# Altium PCB PicoBOB_DLX.pcbdoc (part 2 of 4) (continued)
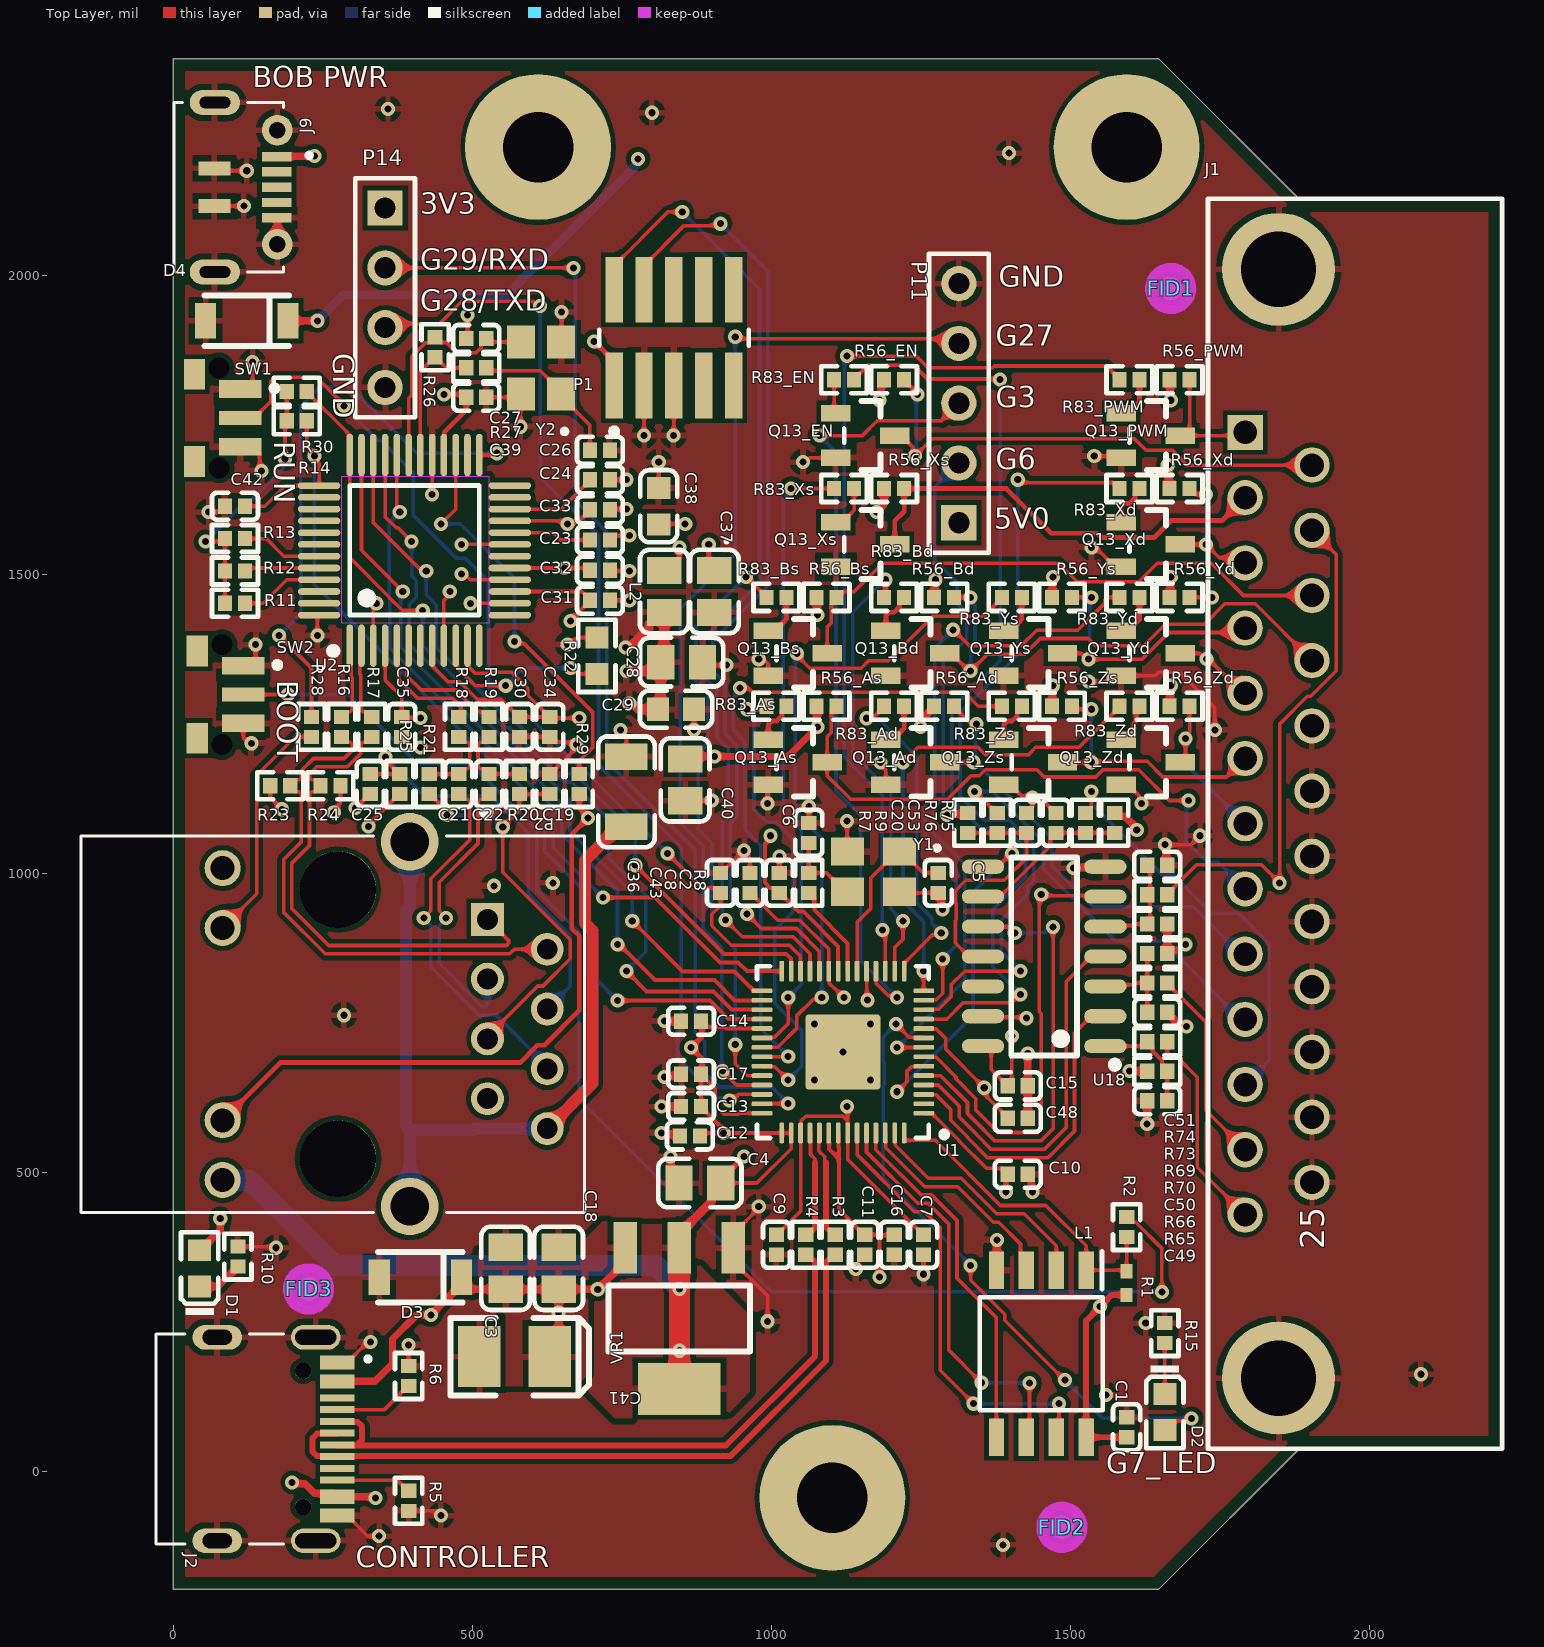
[diagram p0: Top Layer view]
## Free pads (board coordinates) (continued)
1(1073.12,2169.04) 1(1073.12,2169.04) 1(1073.61,2191.88) 1(1073.61,2191.88) 1(1073.87,2266.5) 1(1073.87,2266.5) 1(1073.87,2298.75) 1(1073.87,2298.75) 1(1074.62,2298.75) 1(1074.62,2298.75) 1(1075.14,2266.27) 1(1075.14,2266.27) 1(1075.14,2298.23) 1(1075.14,2298.23) 1(1075.4,2169.29) 1(1075.4,2169.29) 1(1075.89,2298.23) 1(1075.89,2298.23) 1(1076.41,2265.49) 1(1076.41,2265.49) 1(1076.92,2192.14) 1(1076.92,2192.14) 1(1077.68,2170.05) 1(1077.68,2170.05) 1(1077.68,2265.23) 1(1077.68,2265.23) 1(1078.43,2296.72) 1(1078.43,2296.72) 1(1079.2,2296.72) 1(1079.2,2296.72) 1(1079.7,2263.96) 1(1079.7,2263.96) 1(1079.7,2296.21) 1(1079.7,2296.21) 1(1079.96,2170.3) 1(1079.96,2170.3) 1(1080.47,2193.15) 1(1080.47,2193.15) 1(1080.47,2296.21) 1(1080.47,2296.21) 1(1080.97,2263.73) 1(1080.97,2263.73) 1(1080.97,2295.69) 1(1080.97,2295.69) 1(1081.74,2295.69) 1(1081.74,2295.69) 1(1083.51,2171.32) 1(1083.51,2171.32) 1(1084.02,2193.67) 1(1084.02,2193.67) 1(1086.82,2260.67) 1(1086.82,2260.67) 1(1087.08,2171.83) 1(1087.08,2171.83) 1(1087.31,2194.68) 1(1087.31,2194.68) 1(1088.09,2292.4) 1(1088.09,2292.4) 1(1088.84,2292.4) 1(1088.84,2292.4) 1(1090.63,2258.65) 1(1090.63,2258.65) 1(1091.89,2258.39) 1(1091.89,2258.39) 1(1092.15,2195.19) 1(1092.15,2195.19) 1(1094.17,2173.85) 1(1094.17,2173.85) 1(1094.43,2289.35) 1(1094.43,2289.35) 1(1095.19,2289.35) 1(1095.19,2289.35) 1(1096.2,2196.2) 1(1096.2,2196.2) 1(1097.72,2287.84) 1(1097.72,2287.84) 1(1097.98,2196.96) 1(1097.98,2196.96) 1(1098.5,2287.84) 1(1098.5,2287.84) 1(1098.74,2287.32) 1(1098.74,2287.32) 1(1099.25,2287.32) 1(1099.25,2287.32) 1(1099.51,2254.33) 1(1099.51,2254.33) 1(1100.01,2286.57) 1(1100.01,2286.57) 1(1100.52,2286.57) 1(1100.52,2286.57) 1(1102.31,2285.3) 1(1102.31,2285.3) 1(1102.8,2285.3) 1(1102.8,2285.3) 1(1105.08,2198.23) 1(1105.08,2198.23) 1(1107.38,2282.76) 1(1107.38,2282.76) 1(1108.14,2282.76) 1(1108.14,2282.76) 1(1108.39,2282.25) 1(1108.39,2282.25) 1(1108.89,2282.25) 1(1108.89,2282.25) 1(1109.66,2281.49) 1(1109.66,2281.49) 1(1109.92,2249.25) 1(1109.92,2249.25) 1(1110.16,2281.49) 1(1110.16,2281.49) 1(1110.67,2199.49) 1(1110.67,2199.49) 1(1110.67,2248.5) 1(1110.67,2248.5) 1(1111.43,2248.24) 1(1111.43,2248.24) 1(1111.94,2280.23) 1(1111.94,2280.23) 1(1112.46,2280.23) 1(1112.46,2280.23) 1(1112.46,2200.27) 1(1112.46,2200.27) 1(1113.21,2246.97) 1(1113.21,2246.97) 1(1114.74,2278.96) 1(1114.74,2278.96) 1(1115,2245.96) 1(1115,2245.96) 1(1115.49,2278.18) 1(1115.49,2278.18) 1(1116.01,2278.18) 1(1116.01,2278.18) 1(1116.76,2277.43) 1(1116.76,2277.43) 1(1117.28,2179.71) 1(1117.28,2179.71) 1(1117.28,2277.43) 1(1117.28,2277.43) 1(1118.03,2276.66) 1(1118.03,2276.66) 1(1118.55,2276.66) 1(1118.55,2276.66) 1(1119.04,2179.96) 1(1119.04,2179.96) 1(1119.3,2275.9) 1(1119.3,2275.9) 1(1119.82,2201.54) 1(1119.82,2201.54) 1(1119.82,2275.9) 1(1119.82,2275.9) 1(1120.31,2243.16) 1(1120.31,2243.16) 1(1120.83,2180.72) 1(1120.83,2180.72) 1(1121.84,2274.63) 1(1121.84,2274.63) 1(1122.1,2242.15) 1(1122.1,2242.15) 1(1122.61,2180.97) 1(1122.61,2180.97) 1(1123.62,2202.81) 1(1123.62,2202.81) 1(1123.62,2273.36) 1(1123.62,2273.36) 1(1123.88,2241.12) 1(1123.88,2241.12) 1(1124.12,2273.36) 1(1124.12,2273.36) 1(1124.38,2181.73) 1(1124.38,2181.73) 1(1124.38,2272.85) 1(1124.38,2272.85) 1(1124.89,2272.85) 1(1124.89,2272.85) 1(1125.65,2240.11) 1(1125.65,2240.11) 1(1125.65,2272.09) 1(1125.65,2272.09) 1(1126.16,2181.99) 1(1126.16,2181.99) 1(1126.16,2272.09) 1(1126.16,2272.09) 1(1127.43,2203.56) 1(1127.43,2203.56) 1(1127.43,2239.1) 1(1127.43,2239.1) 1(1127.93,2182.74) 1(1127.93,2182.74) 1(1128.18,2270.83) 1(1128.18,2270.83) 1(1129.2,2238.09) 1(1129.2,2238.09) 1(1129.71,2183) 1(1129.71,2183) 1(1129.97,2269.56) 1(1129.97,2269.56) 1(1130.47,2269.56) 1(1130.47,2269.56) 1(1130.72,2269.04) 1(1130.72,2269.04) 1(1130.98,2237.07) 1(1130.98,2237.07) 1(1131.24,2269.04) 1(1131.24,2269.04) 1(1131.5,2268.55) 1(1131.5,2268.55) 1(1131.5,2183.77) 1(1131.5,2183.77) 1(1131.99,2268.55) 1(1131.99,2268.55) 1(1132.25,2236.56) 1(1132.25,2236.56) 1(1132.25,2268.03) 1(1132.25,2268.03) 1(1132.77,2204.83) 1(1132.77,2204.83) 1(1132.77,2268.03) 1(1132.77,2268.03) 1(1133,2267.53) 1(1133,2267.53) 1(1133.26,2184.01) 1(1133.26,2184.01) 1(1133.52,2267.53) 1(1133.52,2267.53) 1(1133.78,2267.02) 1(1133.78,2267.02) 1(1134.03,2235.29) 1(1134.03,2235.29) 1(1134.27,2267.02) 1(1134.27,2267.02) 1(1134.53,2205.58) 1(1134.53,2205.58) 1(1134.53,2266.5) 1(1134.53,2266.5) 1(1134.79,2235.03) 1(1134.79,2235.03) 1(1135.05,2184.78) 1(1135.05,2184.78) 1(1135.05,2266.5) 1(1135.05,2266.5) 1(1135.8,2265.75) 1(1135.8,2265.75) 1(1136.32,2265.75) 1(1136.32,2265.75) 1(1136.81,2185.04) 1(1136.81,2185.04) 1(1136.81,2205.84) 1(1136.81,2205.84) 1(1136.81,2233.5) 1(1136.81,2233.5) 1(1137.33,2264.74) 1(1137.33,2264.74) 1(1137.84,2264.74) 1(1137.84,2264.74) 1(1138.34,2263.96) 1(1138.34,2263.96) 1(1138.6,2206.61) 1(1138.6,2206.61) 1(1138.6,2232.49) 1(1138.6,2232.49) 1(1138.85,2263.96) 1(1138.85,2263.96) 1(1139.35,2263.21) 1(1139.35,2263.21) 1(1139.61,2186.05) 1(1139.61,2186.05) 1(1139.86,2232) 1(1139.86,2232) 1(1139.86,2263.21) 1(1139.86,2263.21) 1(1140.12,2262.69) 1(1140.12,2262.69) 1(1140.62,2262.69) 1(1140.62,2262.69) 1(1140.88,2262.2) 1(1140.88,2262.2) 1(1141.39,2262.2) 1(1141.39,2262.2) 1(1141.65,2230.73) 1(1141.65,2230.73) 1(1142.14,2207.11) 1(1142.14,2207.11) 1(1142.14,2261.43) 1(1142.14,2261.43) 1(1142.4,2186.55) 1(1142.4,2186.55) 1(1142.66,2261.43) 1(1142.66,2261.43) 1(1143.41,2229.96) 1(1143.41,2229.96) 1(1143.67,2260.41) 1(1143.67,2260.41) 1(1144.19,2187.32) 1(1144.19,2187.32) 1(1144.19,2229.2) 1(1144.19,2229.2) 1(1144.19,2260.41) 1(1144.19,2260.41) 1(1144.68,2259.66) 1(1144.68,2259.66) 1(1144.94,2208.12) 1(1144.94,2208.12) 1(1144.94,2228.94) 1(1144.94,2228.94) 1(1145.2,2259.66) 1(1145.2,2259.66) 1(1145.69,2228.19) 1(1145.69,2228.19) 1(1145.69,2258.89) 1(1145.69,2258.89) 1(1145.95,2187.58) 1(1145.95,2187.58) 1(1146.21,2258.89) 1(1146.21,2258.89) 1(1146.47,2227.93) 1(1146.47,2227.93) 1(1146.47,2258.39) 1(1146.47,2258.39) 1(1146.96,2258.39) 1(1146.96,2258.39) 1(1147.22,2227.16) 1(1147.22,2227.16) 1(1147.22,2257.88) 1(1147.22,2257.88) 1(1147.74,2188.33) 1(1147.74,2188.33) 1(1147.74,2208.64) 1(1147.74,2208.64) 1(1147.74,2257.88) 1(1147.74,2257.88) 1(1148,2226.92) 1(1148,2226.92) 1(1148.49,2257.12) 1(1148.49,2257.12) 1(1148.75,2226.15) 1(1148.75,2226.15) 1(1149.01,2257.12) 1(1149.01,2257.12) 1(1149.5,2188.59) 1(1149.5,2188.59) 1(1149.5,2209.39) 1(1149.5,2209.39) 1(1149.5,2225.89) 1(1149.5,2225.89) 1(1150.02,2256.11) 1(1150.02,2256.11) 1(1150.53,2256.11) 1(1150.53,2256.11) 1(1151.03,2255.34) 1(1151.03,2255.34) 1(1151.29,2189.34) 1(1151.29,2189.34) 1(1151.54,2224.38) 1(1151.54,2224.38) 1(1151.54,2255.34) 1(1151.54,2255.34) 1(1152.04,2254.58) 1(1152.04,2254.58) 1(1152.3,2224.12) 1(1152.3,2224.12) 1(1152.56,2254.58) 1(1152.56,2254.58) 1(1152.81,2254.07) 1(1152.81,2254.07) 1(1153.07,2189.6) 1(1153.07,2189.6) 1(1153.31,2210.16) 1(1153.31,2210.16) 1(1153.31,2254.07) 1(1153.31,2254.07) 1(1153.57,2253.57) 1(1153.57,2253.57) 1(1154.08,2222.86) 1(1154.08,2222.86) 1(1154.08,2253.57) 1(1154.08,2253.57) 1(1154.34,2253.06) 1(1154.34,2253.06) 1(1154.84,2190.35) 1(1154.84,2190.35) 1(1154.84,2222.6) 1(1154.84,2222.6) 1(1154.84,2253.06) 1(1154.84,2253.06) 1(1155.09,2252.54) 1(1155.09,2252.54) 1(1155.61,2252.54) 1(1155.61,2252.54) 1(1156.11,2251.79) 1(1156.11,2251.79) 1(1156.62,2190.61) 1(1156.62,2190.61) 1(1156.62,2221.33) 1(1156.62,2221.33) 1(1156.62,2251.79) 1(1156.62,2251.79) 1(1157.12,2211.43) 1(1157.12,2211.43) 1(1157.12,2251.03) 1(1157.12,2251.03) 1(1157.38,2221.07) 1(1157.38,2221.07) 1(1157.63,2251.03) 1(1157.63,2251.03) 1(1158.15,2220.32) 1(1158.15,2220.32) 1(1158.15,2250.26) 1(1158.15,2250.26) 1(1158.39,2191.39) 1(1158.39,2191.39) 1(1158.64,2250.26) 1(1158.64,2250.26) 1(1158.9,2220.06) 1(1158.9,2220.06) 1(1159.16,2249.51) 1(1159.16,2249.51) 1(1159.66,2219.31) 1(1159.66,2219.31) 1(1159.66,2249.51) 1(1159.66,2249.51) 1(1159.91,2211.93) 1(1159.91,2211.93) 1(1159.91,2248.99) 1(1159.91,2248.99) 1(1160.17,2191.62) 1(1160.17,2191.62) 1(1160.43,2219.05) 1(1160.43,2219.05) 1(1160.43,2248.99) 1(1160.43,2248.99) 1(1160.69,2248.5) 1(1160.69,2248.5) 1(1161.18,2218.27) 1(1161.18,2218.27) 1(1161.18,2248.5) 1(1161.18,2248.5) 1(1161.44,2247.98) 1(1161.44,2247.98) 1(1161.7,2192.4) 1(1161.7,2192.4) 1(1161.96,2218.04) 1(1161.96,2218.04) 1(1161.96,2247.98) 1(1161.96,2247.98) 1(1162.45,2247.23) 1(1162.45,2247.23) 1(1162.71,2212.96) 1(1162.71,2212.96) 1(1162.71,2217.26) 1(1162.71,2217.26) 1(1162.97,2247.23) 1(1162.97,2247.23) 1(1163.46,2192.65) 1(1163.46,2192.65) 1(1163.46,2217.01) 1(1163.46,2217.01) 1(1163.46,2246.45) 1(1163.46,2246.45) 1(1163.98,2246.45) 1(1163.98,2246.45) 1(1164.24,2216.25) 1(1164.24,2216.25) 1(1164.49,2213.2) 1(1164.49,2213.2) 1(1164.49,2245.7) 1(1164.49,2245.7) 1(1164.99,2245.7) 1(1164.99,2245.7) 1(1165.51,2244.93) 1(1165.51,2244.93) 1(1165.76,2193.67) 1(1165.76,2193.67) 1(1166,2244.93) 1(1166,2244.93) 1(1166.26,2214.98) 1(1166.26,2214.98) 1(1166.52,2244.17) 1(1166.52,2244.17) 1(1167.03,2214.72) 1(1167.03,2214.72) 1(1167.03,2244.17) 1(1167.03,2244.17) 1(1167.27,2213.97) 1(1167.27,2213.97) 1(1167.53,2243.42) 1(1167.53,2243.42) 1(1167.53,2193.92) 1(1167.53,2193.92) 1(1168.04,2243.42) 1(1168.04,2243.42) 1(1168.54,2242.65) 1(1168.54,2242.65) 1(1169.05,2242.65) 1(1169.05,2242.65) 1(1169.57,2241.89) 1(1169.57,2241.89) 1(1170.07,2241.89) 1(1170.07,2241.89) 1(1170.58,2241.12) 1(1170.58,2241.12) 1(1171.08,2241.12) 1(1171.08,2241.12) 1(1172.11,2239.85) 1(1172.11,2239.85) 1(1172.6,2239.85) 1(1172.6,2239.85) 1(1173.62,2238.58) 1(1173.62,2238.58) 1(1174.13,2238.58) 1(1174.13,2238.58) 1(1174.65,2196.46) 1(1174.65,2196.46) 1(1174.65,2237.83) 1(1174.65,2237.83) 1(1175.14,2237.83) 1(1175.14,2237.83) 1(1175.66,2237.07) 1(1175.66,2237.07) 1(1176.15,2237.07) 1(1176.15,2237.07) 1(1176.41,2196.7) 1(1176.41,2196.7) 1(1176.67,2236.3) 1(1176.67,2236.3) 1(1177.19,2236.3) 1(1177.19,2236.3) 1(1177.68,2235.55) 1(1177.68,2235.55) 1(1178.2,2197.47) 1(1178.2,2197.47) 1(1178.2,2235.55) 1(1178.2,2235.55) 1(1178.69,2234.77) 1(1178.69,2234.77) 1(1179.21,2234.77) 1(1179.21,2234.77) 1(1179.72,2234.02) 1(1179.72,2234.02) 1(1179.96,2197.73) 1(1179.96,2197.73) 1(1180.22,2234.02) 1(1180.22,2234.02) 1(1181.23,2232.75) 1(1181.23,2232.75) 1(1181.75,2232.75) 1(1181.75,2232.75) 1(1182.5,2231.74) 1(1182.5,2231.74) 1(1183.02,2231.74) 1(1183.02,2231.74) 1(1184.03,2230.47) 1(1184.03,2230.47) 1(1184.54,2230.47) 1(1184.54,2230.47) 1(1185.55,2229.2) 1(1185.55,2229.2) 1(1186.07,2229.2) 1(1186.07,2229.2) 1(1186.57,2228.43) 1(1186.57,2228.43) 1(1187.08,2228.43) 1(1187.08,2228.43) 1(1187.58,2200.51) 1(1187.58,2200.51) 1(1187.58,2227.67) 1(1187.58,2227.67) 1(1188.09,2227.67) 1(1188.09,2227.67) 1(1188.35,2200.27) 1(1188.35,2200.27) 1(1188.61,2226.92) 1(1188.61,2226.92) 1(1189.1,2200.01) 1(1189.1,2200.01) 1(1189.1,2226.92) 1(1189.1,2226.92) 1(1190.11,2199) 1(1190.11,2199) 1(1190.89,2198.74) 1(1190.89,2198.74) 1(1191.15,2224.62) 1(1191.15,2224.62) 1(1191.64,2197.97) 1(1191.64,2197.97) 1(1191.64,2224.62) 1(1191.64,2224.62) 1(1191.9,2224.12) 1(1191.9,2224.12) 1(1192.42,2197.73) 1(1192.42,2197.73) 1(1192.42,2224.12) 1(1192.42,2224.12) 1(1193.17,2196.96) 1(1193.17,2196.96) 1(1193.43,2222.86) 1(1193.43,2222.86) 1(1193.92,2196.7) 1(1193.92,2196.7) 1(1193.92,2222.86) 1(1193.92,2222.86) 1(1194.44,2222.08) 1(1194.44,2222.08) 1(1194.7,2195.95) 1(1194.7,2195.95) 1(1194.95,2222.08) 1(1194.95,2222.08) 1(1195.19,2221.59) 1(1195.19,2221.59) 1(1195.45,2195.69) 1(1195.45,2195.69) 1(1196.22,2194.93) 1(1196.22,2194.93) 1(1196.98,2194.68) 1(1196.98,2194.68) 1(1197.99,2193.67) 1(1197.99,2193.67) 1(1198.76,2193.41) 1(1198.76,2193.41) 1(1199.26,2222.6) 1(1199.26,2222.6) 1(1199.52,2192.65) 1(1199.52,2192.65) 1(1200.27,2192.4) 1(1200.27,2192.4) 1(1201.04,2223.35) 1(1201.04,2223.35) 1(1201.3,2191.39) 1(1201.3,2191.39) 1(1202.05,2191.13) 1(1202.05,2191.13) 1(1202.81,2190.35) 1(1202.81,2190.35) 1(1202.81,2223.61) 1(1202.81,2223.61) 1(1203.58,2190.12) 1(1203.58,2190.12) 1(1203.84,2189.6) 1(1203.84,2189.6) 1(1204.59,2189.34) 1(1204.59,2189.34) 1(1204.59,2224.38) 1(1204.59,2224.38) 1(1205.35,2188.59) 1(1205.35,2188.59) 1(1206.12,2188.33) 1(1206.12,2188.33) 1(1206.38,2224.62) 1(1206.38,2224.62) 1(1207.13,2187.32) 1(1207.13,2187.32) 1(1208.14,2225.39) 1(1208.14,2225.39) 1(1209.15,2186.05) 1(1209.15,2186.05) 1(1209.93,2185.79) 1(1209.93,2185.79) 1(1209.93,2225.65) 1(1209.93,2225.65) 1(1210.18,2185.28) 1(1210.18,2185.28) 1(1210.94,2185.04) 1(1210.94,2185.04) 1(1211.19,2184.52) 1(1211.19,2184.52) 1(1211.19,2208.12) 1(1211.19,2208.12) 1(1211.45,2207.63) 1(1211.45,2207.63) 1(1211.69,2226.4) 1(1211.69,2226.4) 1(1211.95,2184.27) 1(1211.95,2184.27) 1(1211.95,2207.63) 1(1211.95,2207.63) 1(1212.21,2183.77) 1(1212.21,2183.77) 1(1212.96,2183.51) 1(1212.96,2183.51) 1(1213.22,2183) 1(1213.22,2183) 1(1213.47,2226.66) 1(1213.47,2226.66) 1(1213.99,2182.74) 1(1213.99,2182.74) 1(1214.23,2182.24) 1(1214.23,2182.24) 1(1214.23,2205.09) 1(1214.23,2205.09) 1(1214.74,2205.09) 1(1214.74,2205.09) 1(1215,2181.99) 1(1215,2181.99) 1(1215.26,2181.47) 1(1215.26,2181.47) 1(1215.76,2203.82) 1(1215.76,2203.82) 1(1216.02,2181.23) 1(1216.02,2181.23) 1(1216.02,2227.67) 1(1216.02,2227.67) 1(1216.27,2203.82) 1(1216.27,2203.82) 1(1217.02,2180.2) 1(1217.02,2180.2) 1(1217.8,2179.96) 1(1217.8,2179.96) 1(1217.8,2202.03) 1(1217.8,2202.03) 1(1217.8,2227.93) 1(1217.8,2227.93) 1(1218.29,2202.03) 1(1218.29,2202.03) 1(1218.81,2178.93) 1(1218.81,2178.93) 1(1219.56,2178.69) 1(1219.56,2178.69) 1(1219.56,2228.69) 1(1219.56,2228.69) 1(1219.82,2178.18) 1(1219.82,2178.18) 1(1220.08,2200.01) 1(1220.08,2200.01) 1(1220.57,2177.92) 1(1220.57,2177.92) 1(1220.57,2200.01) 1(1220.57,2200.01) 1(1221.35,2177.17) 1(1221.35,2177.17) 1(1221.35,2211.69) 1(1221.35,2211.69) 1(1221.35,2228.94) 1(1221.35,2228.94) 1(1222.1,2176.91) 1(1222.1,2176.91) 1(1222.1,2198.23) 1(1222.1,2198.23) 1(1222.1,2229.46) 1(1222.1,2229.46) 1(1222.62,2198.23) 1(1222.62,2198.23) 1(1223.11,2175.9) 1(1223.11,2175.9) 1(1223.88,2175.64) 1(1223.88,2175.64) 1(1224.9,2174.63) 1(1224.9,2174.63) 1(1224.9,2229.96) 1(1224.9,2229.96) 1(1225.16,2195.43) 1(1225.16,2195.43) 1(1225.65,2174.37) 1(1225.65,2174.37) 1(1225.65,2195.43) 1(1225.65,2195.43) 1(1225.91,2173.85) 1(1225.91,2173.85) 1(1226.42,2194.42) 1(1226.42,2194.42) 1(1226.68,2173.62) 1(1226.68,2173.62) 1(1226.68,2230.73) 1(1226.68,2230.73) 1(1226.92,2194.42) 1(1226.92,2194.42) 1(1227.44,2172.84) 1(1227.44,2172.84) 1(1227.95,2213.97) 1(1227.95,2213.97) 1(1228.19,2172.59) 1(1228.19,2172.59) 1(1228.45,2172.09) 1(1228.45,2172.09) 1(1228.45,2192.65) 1(1228.45,2192.65) 1(1228.45,2230.97) 1(1228.45,2230.97) 1(1228.96,2192.65) 1(1228.96,2192.65) 1(1229.22,2171.83) 1(1229.22,2171.83) 1(1229.22,2191.88) 1(1229.22,2191.88) 1(1229.46,2191.88) 1(1229.46,2191.88) 1(1229.97,2171.08) 1(1229.97,2171.08) 1(1230.23,2231.74) 1(1230.23,2231.74) 1(1230.73,2170.82) 1(1230.73,2170.82) 1(1230.73,2190.35) 1(1230.73,2190.35) 1(1231.24,2190.35) 1(1231.24,2190.35) 1(1231.5,2214.98) 1(1231.5,2214.98) 1(1231.76,2169.81) 1(1231.76,2169.81) 1(1231.99,2232) 1(1231.99,2232) 1(1232.51,2169.55) 1(1232.51,2169.55) 1(1233.27,2168.78) 1(1233.27,2168.78) 1(1233.78,2232.75) 1(1233.78,2232.75) 1(1234.04,2168.54) 1(1234.04,2168.54) 1(1234.3,2216.25) 1(1234.3,2216.25) 1(1234.3,2168.02) 1(1234.3,2168.02) 1(1235.05,2167.77) 1(1235.05,2167.77) 1(1235.05,2186.31) 1(1235.05,2186.31) 1(1235.57,2186.31) 1(1235.57,2186.31) 1(1235.57,2233.01) 1(1235.57,2233.01) 1(1236.06,2166.76) 1(1236.06,2166.76) 1(1236.83,2166.5) 1(1236.83,2166.5) 1(1237.07,2166) 1(1237.07,2166) 1(1237.33,2233.76) 1(1237.33,2233.76) 1(1237.59,2184.01) 1(1237.59,2184.01) 1(1237.85,2165.74) 1(1237.85,2165.74) 1(1237.85,2217.26) 1(1237.85,2217.26) 1(1238.1,2184.01) 1(1238.1,2184.01) 1(1238.86,2164.73) 1(1238.86,2164.73) 1(1239.12,2234.02) 1(1239.12,2234.02) 1(1239.61,2164.48) 1(1239.61,2164.48) 1(1239.87,2234.54) 1(1239.87,2234.54) 1(1240.13,2163.7) 1(1240.13,2163.7) 1(1240.64,2181.23) 1(1240.64,2181.23) 1(1240.64,2218.53) 1(1240.64,2218.53) 1(1240.88,2163.46) 1(1240.88,2163.46) 1(1241.14,2162.95) 1(1241.14,2162.95) 1(1241.14,2181.23) 1(1241.14,2181.23) 1(1241.66,2234.77) 1(1241.66,2234.77) 1(1241.91,2162.69) 1(1241.91,2162.69) 1(1242.15,2162.19) 1(1242.15,2162.19) 1(1242.92,2161.94) 1(1242.92,2161.94) 1(1243.18,2161.42) 1(1243.18,2161.42) 1(1243.42,2178.69) 1(1243.42,2178.69) 1(1243.93,2161.16) 1(1243.93,2161.16) 1(1243.93,2178.69) 1(1243.93,2178.69) 1(1244.19,2160.67) 1(1244.19,2160.67) 1(1244.19,2219.54) 1(1244.19,2219.54) 1(1244.19,2235.8) 1(1244.19,2235.8) 1(1244.95,2160.41) 1(1244.95,2160.41) 1(1245.96,2159.4) 1(1245.96,2159.4) 1(1245.96,2236.04) 1(1245.96,2236.04) 1(1246.73,2159.14) 1(1246.73,2159.14) 1(1246.99,2220.81) 1(1246.99,2220.81) 1(1247.23,2175.12) 1(1247.23,2175.12) 1(1247.74,2158.13) 1(1247.74,2158.13) 1(1247.74,2175.12) 1(1247.74,2175.12) 1(1248.49,2157.87) 1(1248.49,2157.87) 1(1248.49,2237.07) 1(1248.49,2237.07) 1(1249.53,2156.86) 1(1249.53,2156.86) 1(1250.02,2172.59) 1(1250.02,2172.59) 1(1250.28,2156.6) 1(1250.28,2156.6) 1(1250.28,2237.31) 1(1250.28,2237.31) 1(1250.54,2156.09) 1(1250.54,2156.09) 1(1250.54,2172.59) 1(1250.54,2172.59) 1(1251.29,2155.85) 1(1251.29,2155.85) 1(1251.55,2155.33) 1(1251.55,2155.33) 1(1252.07,2238.09) 1(1252.07,2238.09) 1(1252.3,2155.08) 1(1252.3,2155.08) 1(1252.56,2154.58) 1(1252.56,2154.58) 1(1253.33,2154.32) 1(1253.33,2154.32) 1(1253.57,2153.81) 1(1253.57,2153.81) 1(1253.83,2238.34) 1(1253.83,2238.34) 1(1254.35,2153.55) 1(1254.35,2153.55) 1(1254.6,2238.84) 1(1254.6,2238.84) 1(1254.6,2153.05) 1(1254.6,2153.05) 1(1255.1,2223.35) 1(1255.1,2223.35) 1(1255.36,2152.79) 1(1255.36,2152.79) 1(1255.61,2152.28) 1(1255.61,2152.28) 1(1256.37,2152.04) 1(1256.37,2152.04) 1(1256.37,2166.5) 1(1256.37,2166.5) 1(1256.37,2224.12) 1(1256.37,2224.12) 1(1256.37,2239.1) 1(1256.37,2239.1) 1(1256.63,2151.53) 1(1256.63,2151.53) 1(1256.88,2166.5) 1(1256.88,2166.5) 1(1257.38,2151.27) 1(1257.38,2151.27) 1(1257.64,2150.77) 1(1257.64,2150.77) 1(1257.64,2224.38) 1(1257.64,2224.38) 1(1258.15,2239.85) 1(1258.15,2239.85) 1(1258.41,2150.51) 1(1258.41,2150.51) 1(1258.91,2225.14) 1(1258.91,2225.14) 1(1259.42,2149.5) 1(1259.42,2149.5) 1(1259.42,2163.7) 1(1259.42,2163.7) 1(1259.92,2163.7) 1(1259.92,2163.7) 1(1259.92,2240.11) 1(1259.92,2240.11) 1(1260.18,2149.24) 1(1260.18,2149.24) 1(1260.43,2148.73) 1(1260.43,2148.73) 1(1260.69,2240.62) 1(1260.69,2240.62) 1(1261.19,2148.47) 1(1261.19,2148.47) 1(1261.45,2147.98) 1(1261.45,2147.98) 1(1262.22,2147.72) 1(1262.22,2147.72) 1(1262.46,2147.2) 1(1262.46,2147.2) 1(1263.23,2146.96) 1(1263.23,2146.96) 1(1263.49,2241.12) 1(1263.49,2241.12) 1(1264.24,2145.93) 1(1264.24,2145.93) 1(1264.76,2158.62) 1(1264.76,2158.62) 1(1264.76,2226.92) 1(1264.76,2226.92) 1(1264.99,2145.7) 1(1264.99,2145.7) 1(1265.25,2158.62) 1(1265.25,2158.62) 1(1265.25,2241.89) 1(1265.25,2241.89) 1(1265.51,2144.92) 1(1265.51,2144.92) 1(1266.26,2144.66) 1(1266.26,2144.66) 1(1266.52,2144.17) 1(1266.52,2144.17) 1(1267.04,2242.15) 1(1267.04,2242.15) 1(1267.3,2143.91) 1(1267.3,2143.91) 1(1267.53,2143.39) 1(1267.53,2143.39) 1(1267.53,2228.19) 1(1267.53,2228.19) 1(1268.31,2143.16) 1(1268.31,2143.16) 1(1268.31,2155.33) 1(1268.31,2155.33) 1(1268.57,2142.64) 1(1268.57,2142.64) 1(1268.8,2155.33) 1(1268.8,2155.33) 1(1268.8,2242.9) 1(1268.8,2242.9) 1(1269.32,2142.38) 1(1269.32,2142.38) 1(1269.57,2141.89) 1(1269.57,2141.89) 1(1270.33,2141.63) 1(1270.33,2141.63) 1(1270.33,2153.55) 1(1270.33,2153.55) 1(1270.33,2228.94) 1(1270.33,2228.94) 1(1270.59,2141.11) 1(1270.59,2141.11) 1(1270.59,2243.16) 1(1270.59,2243.16) 1(1270.85,2153.55) 1(1270.85,2153.55) 1(1271.34,2140.86) 1(1271.34,2140.86) 1(1271.6,2140.36) 1(1271.6,2140.36) 1(1272.37,2140.1) 1(1272.37,2140.1) 1(1272.37,2243.92) 1(1272.37,2243.92) 1(1272.61,2139.59) 1(1272.61,2139.59) 1(1273.13,2230.21) 1(1273.13,2230.21) 1(1273.38,2139.35) 1(1273.38,2139.35) 1(1273.64,2138.83) 1(1273.64,2138.83) 1(1274.14,2244.17) 1(1274.14,2244.17) 1(1274.4,2138.58) 1(1274.4,2138.58) 1(1274.65,2138.08) 1(1274.65,2138.08) 1(1275.4,2137.82) 1(1275.4,2137.82) 1(1275.92,2244.93) 1(1275.92,2244.93) 1(1275.92,2230.97) 1(1275.92,2230.97) 1(1276.42,2136.81) 1(1276.42,2136.81) 1(1276.68,2147.46) 1(1276.68,2147.46) 1(1277.19,2136.55) 1(1277.19,2136.55) 1(1277.19,2147.46) 1(1277.19,2147.46) 1(1277.19,2231.74) 1(1277.19,2231.74) 1(1277.45,2136.04) 1(1277.45,2136.04) 1(1277.68,2245.18) 1(1277.68,2245.18) 1(1278.2,2135.78) 1(1278.2,2135.78) 1(1278.46,2135.28) 1(1278.46,2135.28) 1(1278.46,2232) 1(1278.46,2232) 1(1278.96,2145.44) 1(1278.96,2145.44) 1(1279.21,2135.03) 1(1279.21,2135.03) 1(1279.47,2145.44) 1(1279.47,2145.44) 1(1279.47,2245.96) 1(1279.47,2245.96) 1(1279.73,2232.75) 1(1279.73,2232.75) 1(1280.22,2134.02) 1(1280.22,2134.02) 1(1281,2133.76) 1(1281,2133.76) 1(1281,2233.01) 1(1281,2233.01) 1(1281.26,2133.24) 1(1281.26,2133.24) 1(1281.26,2246.2) 1(1281.26,2246.2) 1(1281.75,2142.9) 1(1281.75,2142.9) 1(1282.01,2133) 1(1282.01,2133) 1(1282.27,2132.49) 1(1282.27,2132.49) 1(1282.27,2142.9) 1(1282.27,2142.9) 1(1282.27,2233.76) 1(1282.27,2233.76) 1(1283.02,2132.23) 1(1283.02,2132.23) 1(1283.02,2246.97) 1(1283.02,2246.97) 1(1283.54,2234.02) 1(1283.54,2234.02) 1(1284.03,2131.22) 1(1284.03,2131.22) 1(1284.8,2130.96) 1(1284.8,2130.96) 1(1284.8,2234.77) 1(1284.8,2234.77) 1(1285.06,2130.47) 1(1285.06,2130.47) 1(1285.82,2247.46) 1(1285.82,2247.46) 1(1285.82,2130.21) 1(1285.82,2130.21) 1(1286.07,2235.03) 1(1286.07,2235.03) 1(1286.57,2138.32) 1(1286.57,2138.32) 1(1286.83,2129.2) 1(1286.83,2129.2) 1(1287.09,2138.32) 1(1287.09,2138.32) 1(1287.35,2235.8) 1(1287.35,2235.8) 1(1287.6,2128.94) 1(1287.6,2128.94) 1(1287.6,2248.24) 1(1287.6,2248.24) 1(1288.1,2128.17) 1(1288.1,2128.17) 1(1288.61,2236.04) 1(1288.61,2236.04) 1(1288.87,2127.93) 1(1288.87,2127.93) 1(1289.11,2127.41) 1(1289.11,2127.41) 1(1289.37,2248.5) 1(1289.37,2248.5) 1(1289.88,2127.15) 1(1289.88,2127.15) 1(1289.88,2236.82) 1(1289.88,2236.82) 1(1290.38,2126.4) 1(1290.38,2126.4) 1(1290.64,2134.51) 1(1290.64,2134.51) 1(1291.15,2126.14) 1(1291.15,2126.14) 1(1291.15,2134.51) 1(1291.15,2134.51) 1(1291.15,2237.07) 1(1291.15,2237.07) 1(1291.15,2249.25) 1(1291.15,2249.25) 1(1291.41,2125.63) 1(1291.41,2125.63) 1(1292.16,2125.39) 1(1292.16,2125.39) 1(1292.42,2124.87) 1(1292.42,2124.87) 1(1292.68,2132.75) 1(1292.68,2132.75) 1(1292.92,2249.51) 1(1292.92,2249.51) 1(1293.18,2124.62) 1(1293.18,2124.62) 1(1293.18,2132.75) 1(1293.18,2132.75) 1(1293.18,2238.09) 1(1293.18,2238.09) 1(1293.43,2124.12) 1(1293.43,2124.12) 1(1294.18,2123.86) 1(1294.18,2123.86) 1(1294.44,2238.34) 1(1294.44,2238.34) 1(1295.22,2122.85) 1(1295.22,2122.85) 1(1295.71,2239.1) 1(1295.71,2239.1) 1(1295.71,2250.52) 1(1295.71,2250.52) 1(1295.97,2122.59) 1(1295.97,2122.59) 1(1296.98,2121.58) 1(1296.98,2121.58) 1(1296.98,2239.36) 1(1296.98,2239.36) 1(1297.5,2250.78) 1(1297.5,2250.78) 1(1297.76,2121.32) 1(1297.76,2121.32) 1(1297.99,2120.81) 1(1297.99,2120.81) 1(1298.25,2240.11) 1(1298.25,2240.11) 1(1298.51,2127.15) 1(1298.51,2127.15) 1(1298.77,2120.55) 1(1298.77,2120.55) 1(1299.02,2127.15) 1(1299.02,2127.15) 1(1299.52,2240.37) 1(1299.52,2240.37) 1(1299.78,2119.54) 1(1299.78,2119.54) 1(1300.04,2240.88) 1(1300.04,2240.88) 1(1300.53,2125.39) 1(1300.53,2125.39) 1(1301.04,2125.39) 1(1301.04,2125.39) 1(1301.3,2241.12) 1(1301.3,2241.12) 1(1301.56,2118.79) 1(1301.56,2118.79) 1(1302.32,2118.01) 1(1302.32,2118.01) 1(1302.57,2241.89) 1(1302.57,2241.89) 1(1303.07,2117.77) 1(1303.07,2117.77) 1(1303.33,2122.85) 1(1303.33,2122.85) 1(1303.59,2117) 1(1303.59,2117) 1(1303.59,2252.3) 1(1303.59,2252.3) 1(1303.84,2122.85) 1(1303.84,2122.85) 1(1303.84,2242.15) 1(1303.84,2242.15) 1(1305.37,2115.99) 1(1305.37,2115.99) 1(1305.87,2120.55) 1(1305.87,2120.55) 1(1305.87,2243.16) 1(1305.87,2243.16) 1(1305.87,2253.32) 1(1305.87,2253.32) 1(1306.38,2118.01) 1(1306.38,2118.01) 1(1306.38,2120.55) 1(1306.38,2120.55) 1(1306.64,2118.01) 1(1306.64,2118.01) 1(1306.64,2119.54) 1(1306.64,2119.54) 1(1306.64,2119.8) 1(1306.64,2119.8) 1(1306.88,2116.25) 1(1306.88,2116.25) 1(1306.88,2119.28) 1(1306.88,2119.28) 1(1307.13,2116.25) 1(1307.13,2116.25) 1(1307.13,2119.8) 1(1307.13,2119.8) 1(1307.13,2243.42) 1(1307.13,2243.42) 1(1307.39,2115.47) 1(1307.39,2115.47) 1(1308.4,2244.17) 1(1308.4,2244.17) 1(1309.67,2244.43) 1(1309.67,2244.43) 1(1310.19,2244.93) 1(1310.19,2244.93) 1(1310.68,2254.07) 1(1310.68,2254.07) 1(1311.46,2245.18) 1(1311.46,2245.18) 1(1311.46,2254.58) 1(1311.46,2254.58) 1(1313.22,2246.2) 1(1313.22,2246.2) 1(1313.22,2254.84) 1(1313.22,2254.84) 1(1314.49,2246.45) 1(1314.49,2246.45) 1(1315.52,2247.23) 1(1315.52,2247.23) 1(1316.79,2247.46) 1(1316.79,2247.46) 1(1317.29,2247.98) 1(1317.29,2247.98) 1(1318.56,2248.24) 1(1318.56,2248.24) 1(1319.83,2248.99) 1(1319.83,2248.99) 1(1321.09,2249.25) 1(1321.09,2249.25) 1(1322.62,2257.12) 1(1322.62,2257.12) 1(1325.16,2251.53) 1(1325.16,2251.53) 1(1326.43,2251.79) 1(1326.43,2251.79) 1(1326.95,2252.3) 1(1326.95,2252.3) 1(1328.21,2252.54) 1(1328.21,2252.54) 1(1329.72,2258.89) 1(1329.72,2258.89) 1(1330.24,2253.81) 1(1330.24,2253.81) 1(1332.02,2254.33) 1(1332.02,2254.33) 1(1333.79,2255.6) 1(1333.79,2255.6) 1(1336.07,2256.61) 1(1336.07,2256.61) 1(1336.07,2259.66) 1(1336.07,2259.66) 1(1337.59,2258.13) 1(1337.59,2258.13) 1(1337.85,2259.15) 1(1337.85,2259.15)